# KiCad board Zynq_SoM.kicad_pcb (continued)
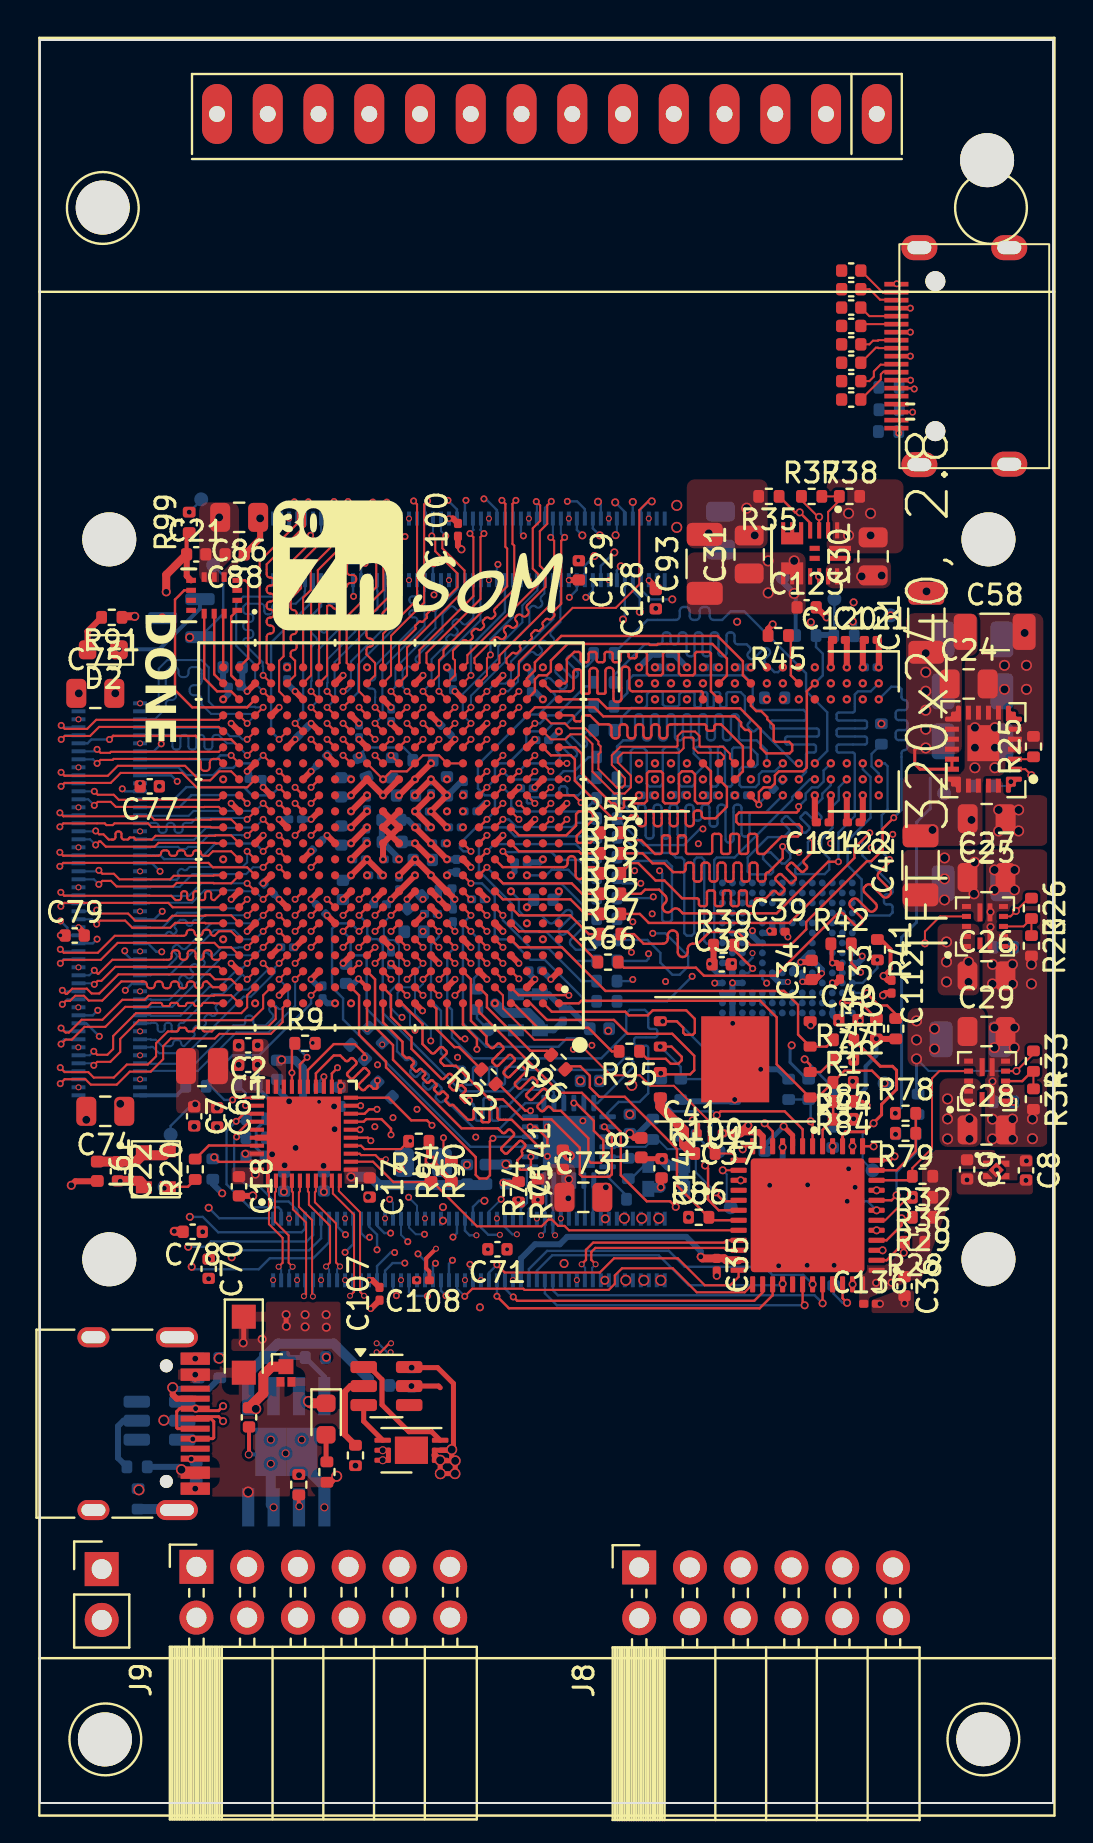
[diagram p0: board, top side]
## Routing (per net, layer and track width the routed paths; a pad name or vN(x,y) marks a point on that pad's centre or on a via; arc(x,y) is an arc through that point) (continued)
IO_L5_P_35: length 30.4
  L1 (Sig) w0.12: U2.F18 v1(11.97,44.39)
  L4 (Sig+Pwr) w0.135: v4(7.42,27.81) 6.69,27.81 4.57,29.94 4.57,38.82 6.16,40.41 7.09,40.41 9.72,43.04 9.72,43.46 10.22,43.96 11.54,43.96 v1(11.97,44.39)
  L8 (Sig) w0.12: v4(7.42,27.81) 8.29,27.81 8.56,28.08 13.35,28.08 13.67,28.4 13.67,29.23
IO_L5P_13: length 17.5
  L1 (Sig) w0.12: U2.U12 v1(17.57,53.19)
  L6 (Sig+Pwr) w0.135: v1(24.19,63.36) 23.62,63.36 23.29,63.04 22.17,63.04 21.04,61.91 20.47,61.91 19.94,61.39 19.37,61.39 16.74,58.76 16.74,56.26 16.37,55.89 16.37,53.69 16.47,53.59 17.17,53.59 v1(17.57,53.19)
  L8 (Sig) w0.12: v1(24.19,63.36) 24.07,63.49 J2.38
IO_L6_N_VREF_13: length 18.1
  L1 (Sig) w0.12: U2.U9 v1(19.97,53.19)
  L4 (Sig+Pwr) w0.135: v1(19.97,53.19) 20.37,53.59 20.37,55.94 20,56.31 20,58.12 23.47,61.59 27.79,61.59 v4(28.74,62.54)
  L8 (Sig) w0.12: J2.17 28.07,61.86 v4(28.74,62.54)
IO_L6_P_13: length 17.9
  L1 (Sig) w0.12: U2.U10 v1(19.17,53.19)
  L4 (Sig+Pwr) w0.135: v1(19.17,53.19) 19.57,53.59 19.57,59.19 22.77,62.39 26.17,62.39 26.42,62.64 27.47,62.64 v4(27.75,62.36)
  L8 (Sig) w0.12: J2.21 27.27,61.88 v4(27.75,62.36)
IO_L6_P_33: length 9.7
  L1 (Sig) w0.1: U2.V18 v1(11.97,53.19)
  L6 (Sig+Pwr) w0.1: v1(11.97,53.19) 11.97,53.29
  L8 (Sig) w0.12: J2.89 13.67,60.13 11.57,58.03 11.57,53.59 v1(11.97,53.19)
IO_L6_P_35: length 30.8
  L1 (Sig) w0.12: U2.G17 v1(12.77,44.39)
  L6 (Sig+Pwr) w0.135: v1(16.49,28.29) 15.99,28.29 15.67,27.96 10.97,27.96 6.39,32.54 6.39,38.96 8.72,41.29 8.72,43.76 9.74,44.79 12.37,44.79 v1(12.77,44.39)
  L8 (Sig) w0.12: 16.07,29.23 16.07,28.5 16.28,28.29 v1(16.49,28.29)
IO_L6_VREF_N_34: length 11.9
  L1 (Sig) w0.12: U2.M16 v1(13.57,48.39)
  L4 (Sig+Pwr) w0.135: v1(13.57,48.39) 13.17,48.79 6.04,48.79 v1(4.12,50.71)
  L8 (Sig) w0.12: v1(4.12,50.71) 4.24,50.59 J3.78
IO_L6_VREF_N_35: length 26.9
  L1 (Sig) w0.12: U2.F17 v1(12.77,43.59)
  L6 (Sig+Pwr) w0.135: v1(16.87,27.66) 16.98,27.77 16.98,28.67 16.57,29.08 16.08,29.08 15.54,29.61 12.27,29.61 10.99,30.9 10.43,30.9 9.68,31.65 9.68,32.06 8.27,33.47 8.27,35.36 7.97,35.66 7.97,38.18 11.57,41.78 11.57,42.99 11.77,43.19 12.37,43.19 v1(12.77,43.59)
  L8 (Sig) w0.12: v1(16.87,27.66) 16.87,28.42 16.47,28.82 16.47,29.23
IO_L7_N_13: length 10
  L1 (Sig) w0.104: U2.AB12 17.17,58.47 18.87,60.17 18.87,64.94 v1(18.7,65.11)
  L8 (Sig) w0.104: v1(18.7,65.11) 18.87,64.94 J2.64
IO_L7_N_33: length 2.7
  L1 (Sig) w0.12: U2.AB22 9.17,59.42 U14.14
IO_L7_N_34: length 10.7
  L1 (Sig) w0.12: U2.K18 v1(11.97,47.59)
  L6 (Sig+Pwr) w0.135: v1(6.09,42.56) 6.77,43.24 6.77,44.89 8.64,46.76 9.57,46.76 9.99,47.19 11.57,47.19 v1(11.97,47.59)
  L8 (Sig) w0.12: v1(6.09,42.56) 5.82,42.56 5.4,42.99 J3.40
IO_L7_P_13: length 11
  L1 (Sig) w0.104: v1(19.4,65.11) 19.23,64.94 19.23,60.03 17.57,58.37 17.57,56.39 U2.AA12
  L8 (Sig) w0.104: v1(19.4,65.11) 19.27,64.98 J2.62
IO_L7_P_33: length 3.7
  L1 (Sig) w0.12: U2.AA22 8.72,56.44 U14.13
IO_L7_P_34: length 15.8
  L1 (Sig) w0.12: U2.J18 v1(11.97,46.79)
  L6 (Sig+Pwr) w0.135: v1(2.97,38.34) 3.54,38.34 7.34,42.14 7.34,44.56 9.15,46.37 11.55,46.37 v1(11.97,46.79)
  L8 (Sig) w0.12: v1(2.97,38.34) 2.32,38.99 J3.19
IO_L8_N_13: length 9.5
  L1 (Sig) w0.104: U2.AB11 17.97,57.88 18.79,58.7 arc(18.81,58.75) 18.79,58.79 arc(18.77,58.84) 18.79,58.88 18.98,59.07 arc(19.03,59.09) 19.07,59.07 arc(19.12,59.05) 19.16,59.07 19.35,59.26 arc(19.37,59.31) 19.35,59.36 arc(19.34,59.4) 19.35,59.45 19.55,59.64 arc(19.59,59.66) 19.64,59.64 arc(19.68,59.62) 19.73,59.64 20.89,60.8 20.89,61.49 19.78,62.6 19.78,63.19 v1(19.61,63.36)
  L8 (Sig) w0.104: v1(19.61,63.36) 19.67,63.42 J2.60
IO_L8_N_33: length 5
  L1 (Sig) w0.12: U14.4 10.27,61.14 10.42,60.99 10.42,57.24 U2.AB21
IO_L8_N_34: length 7.5
  L1 (Sig) w0.104: v1(2.95,46.64) 3.12,46.47 3.7,46.47 3.98,46.19 6.52,46.19 6.7,46.37 8.67,46.37 8.7,46.39 U2.J22
  L8 (Sig) w0.104: v1(2.95,46.64) 2.9,46.59 J3.57
IO_L8_P_13: length 10.2
  L1 (Sig) w0.104: v1(20.31,63.36) 20.14,63.19 20.14,62.74 21.25,61.63 21.25,60.66 18.37,57.78 18.37,56.39 U2.AA11
  L8 (Sig) w0.104: J2.58 20.07,63.6 v1(20.31,63.36)
IO_L8_P_33: length 4.4
  L1 (Sig) w0.1: U2.AA21 9.62,56.34
  L1 (Sig) w0.12: U2.AA21 9.57,56.39 9.57,59.33 U14.1
IO_L8_P_34: length 8.6
  L1 (Sig) w0.104: v1(2.95,45.94) 3.12,46.11 3.56,46.11 3.84,45.83 6.66,45.83 6.84,46.01 8.67,46.01 8.7,45.99 9.57,45.99 U2.J21
  L8 (Sig) w0.104: J3.55 2.7,46.19 v1(2.95,45.94)
IO_L9_DQS_N_13: length 8.8
  L1 (Sig) w0.104: U2.AB9 19.35,57.01 19.35,57.51 22.05,60.21 22.05,63.31 v1(22.22,63.48)
  L8 (Sig) w0.104: v1(22.22,63.48) 22.04,63.65 22.04,63.68 22.07,63.7 J2.48
IO_L9_DQS_N_33: length 5.4
  L1 (Sig) w0.12: U2.Y21 9.57,55.59 8.87,55.59 8.22,56.24 U14.12
IO_L9_DQS_N_34: length 11.2
  L1 (Sig) w0.104: v1(0.99,47.54) 1.17,47.37 5.93,47.37 arc(6.02,47.41) 6.06,47.5 arc(6.1,47.6) 6.2,47.64 6.33,47.64 arc(6.42,47.6) 6.46,47.5 arc(6.5,47.41) 6.6,47.37 6.73,47.37 arc(6.82,47.41) 6.86,47.5 arc(6.9,47.6) 7,47.64 7.13,47.64 arc(7.22,47.6) 7.26,47.5 arc(7.3,47.41) 7.4,47.37 7.53,47.37 arc(7.62,47.41) 7.66,47.5 arc(7.7,47.6) 7.8,47.64 7.93,47.64 arc(8.02,47.6) 8.06,47.5 arc(8.1,47.41) 8.2,47.37 8.43,47.37 8.65,47.59 9.57,47.59 U2.K21
  L8 (Sig) w0.104: v1(0.99,47.54) 1.14,47.39 J3.61
IO_L9_DQS_P_13: length 8.8
  L1 (Sig) w0.104: v1(21.52,63.48) 21.69,63.31 21.69,60.35 18.99,57.65 18.99,57.01 U2.AB10
  L8 (Sig) w0.104: J2.50 21.67,63.7 21.69,63.68 21.69,63.65 v1(21.52,63.48)
IO_L9_DQS_P_33: length 10.1
  L1 (Sig) w0.12: U2.Y20 10.37,54.79 7.62,54.79 6.76,55.65 6.76,60.18 7.22,60.64 U14.9
IO_L9_DQS_P_34: length 11.1
  L1 (Sig) w0.104: U2.J20 10.37,46.79 8.65,46.79 8.43,47.01 1.17,47.01 v1(0.99,46.84)
  L8 (Sig) w0.104: v1(0.99,46.84) 1.14,46.99 J3.59
IO_L10_N_13: length 8.7
  L1 (Sig) w0.104: U2.Y10 v1(18.37,55.59)
  L8 (Sig) w0.104: v1(18.37,55.59) 18.15,55.81 18.15,56.62 18.32,56.79 arc(18.44,56.84) 18.55,56.79 18.61,56.74 arc(18.72,56.69) 18.83,56.74 18.89,56.79 arc(18.94,56.91) 18.89,57.02 18.83,57.08 arc(18.79,57.19) 18.83,57.3 20.15,58.62 20.15,59.45 20.5,59.8 arc(20.61,59.85) 20.73,59.8 20.85,59.68 arc(20.96,59.63) 21.07,59.68 21.13,59.73 arc(21.18,59.85) 21.13,59.96 21.01,60.08 arc(20.96,60.19) 21.01,60.31 21.25,60.55 21.25,60.88 21.27,60.9 J2.51
IO_L10_N_33: length 10.1
  L1 (Sig) w0.104: U2.AB20 10.99,57.01 10.99,62.09 12.9,64 12.9,64.89 v1(12.73,65.07)
  L8 (Sig) w0.104: J2.94 12.87,64.93 v1(12.73,65.07)
IO_L10_N_34: length 7.6
  L1 (Sig) w0.104: v1(2.79,47.91) 2.96,48.08 3.03,48.08 3.29,47.82 5.74,47.82 5.93,48.01 8.76,48.01 8.78,47.99 U2.L22
  L8 (Sig) w0.104: J3.65 2.51,48.19 v1(2.79,47.91)
IO_L10_N_35: length 14.9
  L1 (Sig) w0.104: v1(1.01,36.77) 1.24,36.55 2.42,36.55 2.69,36.28 3.7,36.28 4.35,36.93 5.4,36.93 5.81,37.34 5.81,37.99 6.4,38.58 6.84,38.58 arc(6.91,38.61) 6.94,38.68 arc(6.96,38.74) 7.03,38.77 7.24,38.77 arc(7.31,38.74) 7.34,38.68 arc(7.36,38.61) 7.43,38.58 7.64,38.58 arc(7.71,38.61) 7.74,38.68 arc(7.76,38.74) 7.83,38.77 8.04,38.77 arc(8.11,38.74) 8.14,38.68 arc(8.16,38.61) 8.23,38.58 8.6,38.58 8.84,38.82 11.41,38.82 11.79,39.2 11.79,39.76 U2.A19
  L8 (Sig) w0.104: v1(1.01,36.77) 1.2,36.59 J3.7
IO_L10_P_13: length 7.5
  L1 (Sig) w0.104: U2.Y11 v1(17.57,55.59)
  L8 (Sig) w0.104: J2.53 20.87,60.9 20.89,60.88 20.89,60.69 19.79,59.59 19.79,58.76 17.79,56.76 17.79,55.81 v1(17.57,55.59)
IO_L10_P_33: length 11.9
  L1 (Sig) w0.104: v1(13.43,65.07) 13.26,64.89 13.26,63.86 11.35,61.95 11.35,61.44 arc(11.39,61.33) 11.51,61.28 11.54,61.28 arc(11.66,61.23) 11.7,61.12 11.7,61.04 arc(11.66,60.93) 11.54,60.88 11.51,60.88 arc(11.39,60.83) 11.35,60.72 11.35,60.64 arc(11.39,60.53) 11.51,60.48 11.54,60.48 arc(11.66,60.43) 11.7,60.32 11.7,60.24 arc(11.66,60.13) 11.54,60.08 11.51,60.08 arc(11.39,60.03) 11.35,59.92 11.35,59.84 arc(11.39,59.73) 11.51,59.68 11.54,59.68 arc(11.66,59.63) 11.7,59.52 11.7,59.44 arc(11.66,59.33) 11.54,59.28 11.51,59.28 arc(11.39,59.23) 11.35,59.12 11.35,59.04 arc(11.39,58.93) 11.51,58.88 11.54,58.88 arc(11.66,58.83) 11.7,58.72 11.7,58.64 arc(11.66,58.53) 11.54,58.48 11.51,58.48 arc(11.39,58.43) 11.35,58.32 11.35,57.01 U2.AB19
  L8 (Sig) w0.104: v1(13.43,65.07) 13.27,64.9 J2.92
IO_L10_P_34: length 9.2
  L1 (Sig) w0.104: U2.L21 9.57,48.39 8.78,48.39 8.76,48.37 5.79,48.37 5.6,48.18 4.8,48.18 arc(4.76,48.19) 4.75,48.23 arc(4.73,48.26) 4.69,48.28 4.5,48.28 arc(4.46,48.26) 4.45,48.23 arc(4.43,48.19) 4.39,48.18 4.2,48.18 arc(4.11,48.21) 4.08,48.3 4.08,48.46 arc(4.04,48.55) 3.96,48.58 3.9,48.58 arc(3.81,48.55) 3.78,48.46 3.78,48.3 arc(3.74,48.21) 3.66,48.18 3.44,48.18 3.18,48.44 2.96,48.44 v1(2.79,48.61)
  L8 (Sig) w0.1: 2.77,48.59 v1(2.79,48.61)
  L8 (Sig) w0.104: J3.67 2.77,48.59
IO_L10_P_35: length 15
  L1 (Sig) w0.104: v1(1.01,35.97) 1.24,36.19 2.27,36.19 2.55,35.92 3.84,35.92 4.49,36.57 5.54,36.57 6.17,37.2 6.17,37.85 6.55,38.23 8.75,38.23 8.98,38.46 11.55,38.46 12.14,39.05 12.14,39.76 U2.A18
  L8 (Sig) w0.104: J3.5 1.23,36.19 v1(1.01,35.97)
IO_L11_SRCC_N_13: length 12.6
  L1 (Sig) w0.104: v1(23.82,65.14) 23.65,64.97 23.65,62.96 23.74,62.87 23.74,60.7 22.76,59.72 arc(22.72,59.63) 22.76,59.54 arc(22.8,59.45) 22.76,59.36 22.66,59.25 arc(22.57,59.22) 22.48,59.25 arc(22.39,59.29) 22.3,59.25 22.19,59.15 arc(22.16,59.06) 22.19,58.97 arc(22.23,58.88) 22.19,58.79 22.09,58.69 arc(22,58.65) 21.91,58.69 arc(21.82,58.73) 21.73,58.69 21.63,58.59 arc(21.59,58.5) 21.63,58.41 arc(21.67,58.32) 21.63,58.22 21.53,58.12 arc(21.44,58.09) 21.35,58.12 arc(21.25,58.16) 21.16,58.12 20.67,57.63 20.67,57.24 20.77,57.14 20.77,56.39 U2.AA8
  L8 (Sig) w0.104: J2.40 23.67,64.75 23.64,64.78 23.64,64.96 v1(23.82,65.14)
IO_L11_SRCC_N_33: length 11.5
  L1 (Sig) w0.104: U2.AA19 v1(11.17,56.39)
  L8 (Sig) w0.104: J2.91 13.27,60.62 13.25,60.6 13.25,60.42 12.8,59.97 12.59,59.97 arc(12.47,59.93) 12.43,59.81 12.43,59.6 arc(12.38,59.49) 12.27,59.44 12.19,59.44 arc(12.07,59.49) 12.03,59.6 12.03,59.81 arc(11.98,59.93) 11.87,59.97 11.79,59.97 arc(11.67,59.93) 11.63,59.81 11.63,59.6 arc(11.58,59.49) 11.47,59.44 11.39,59.44 arc(11.27,59.49) 11.23,59.6 11.23,59.81 arc(11.18,59.93) 11.07,59.97 10.32,59.97 10.18,59.83 10.18,59.62 arc(10.22,59.5) 10.34,59.46 10.52,59.46 arc(10.63,59.41) 10.68,59.3 10.68,59.22 arc(10.63,59.1) 10.52,59.06 10.34,59.06 arc(10.22,59.01) 10.18,58.9 10.18,58.82 arc(10.22,58.7) 10.34,58.66 10.52,58.66 arc(10.63,58.61) 10.68,58.5 10.68,58.42 arc(10.63,58.3) 10.52,58.26 10.34,58.26 arc(10.22,58.21) 10.18,58.1 10.18,58.01 11.15,57.04 11.15,56.84 11.17,56.82 v1(11.17,56.39)
IO_L11_SRCC_N_34: length 7.1
  L1 (Sig) w0.104: U2.K20 v1(10.37,47.59)
  L8 (Sig) w0.1: v1(10.37,47.59) 10.37,47.04
  L8 (Sig) w0.104: J3.56 5.53,46.19 5.56,46.17 6.85,46.17 6.93,46.25 arc(6.96,46.34) 6.93,46.43 arc(6.89,46.52) 6.93,46.61 6.99,46.67 arc(7.08,46.71) 7.17,46.67 arc(7.26,46.64) 7.35,46.67 7.49,46.81 10.14,46.81 10.37,47.04
IO_L11_SRCC_N_35: length 12
  L1 (Sig) w0.104: U2.C18 v1(11.97,41.19)
  L8 (Sig) w0.104: v1(11.97,41.19) 12.42,40.74 12.42,40.02 12.14,39.74 arc(12.03,39.69) 11.91,39.74 11.79,39.86 arc(11.68,39.91) 11.57,39.86 11.51,39.8 arc(11.47,39.69) 11.51,39.58 11.63,39.46 arc(11.68,39.34) 11.63,39.23 11.29,38.89 10.84,38.89 arc(10.72,38.93) 10.68,39.05 10.68,39.22 arc(10.63,39.33) 10.52,39.38 10.44,39.38 arc(10.32,39.33) 10.28,39.22 10.28,39.05 arc(10.23,38.93) 10.12,38.89 9.68,38.89 7.76,36.97 5.56,36.97 5.53,36.99 J3.10
IO_L11_SRCC_P_13: length 11.8
  L1 (Sig) w0.104: U2.AA9 19.97,56.39 19.97,57.14 20.19,57.36 20.19,57.65 23.38,60.84 23.38,62.73 23.29,62.82 23.29,64.97 v1(23.12,65.14)
  L8 (Sig) w0.104: J2.42 23.27,64.75 23.29,64.78 23.29,64.96 v1(23.12,65.14)
IO_L11_SRCC_P_33: length 9.4
  L1 (Sig) w0.104: U2.Y19 v1(11.17,55.59)
  L8 (Sig) w0.104: v1(11.17,55.59) 10.77,55.99 10.77,56.82 10.79,56.84 10.79,56.9 9.82,57.87 9.82,59.97 10.18,60.33 12.66,60.33 12.89,60.56 12.89,60.6 12.87,60.62 J2.93
IO_L11_SRCC_P_34: length 7.1
  L1 (Sig) w0.104: U2.K19 v1(11.17,46.79)
  L8 (Sig) w0.1: v1(11.17,46.79) 10.66,46.79
  L8 (Sig) w0.104: 10.66,46.79 10.32,46.45 7.63,46.45 6.99,45.81 5.56,45.81 5.53,45.79 J3.54
IO_L11_SRCC_P_35: length 11
  L1 (Sig) w0.104: U2.C17 v1(12.77,41.19)
  L8 (Sig) w0.104: v1(12.77,41.19) 12.77,39.87 12.77,39.87 11.43,38.53 9.82,38.53 7.9,36.61 5.56,36.61 5.53,36.59 J3.8
IO_L12_MRCC_N_13: length 7
  L1 (Sig) w0.104: U2.Y8 v1(19.97,55.59)
  L8 (Sig) w0.104: J2.47 22.07,60.62 22.05,60.6 22.05,59.15 19.97,57.07 v1(19.97,55.59)
IO_L12_MRCC_N_33: length 10.3
  L1 (Sig) w0.104: v1(14.24,63.39) 14.07,63.22 14.07,63.05 13.07,62.05 13.07,60.75 12.55,60.23 12.55,59.8 arc(12.59,59.69) 12.7,59.65 arc(12.8,59.6) 12.85,59.5 12.85,59.4 arc(12.8,59.29) 12.7,59.25 arc(12.59,59.2) 12.55,59.1 12.55,59 arc(12.59,58.89) 12.7,58.85 arc(12.8,58.8) 12.85,58.7 12.85,58.6 arc(12.8,58.49) 12.7,58.45 arc(12.59,58.4) 12.55,58.3 12.55,58.2 arc(12.59,58.09) 12.7,58.05 arc(12.8,58) 12.85,57.9 12.85,57.8 arc(12.8,57.69) 12.7,57.65 arc(12.59,57.6) 12.55,57.5 12.55,57.34 12.77,57.12 12.77,57.12 12.77,56.39 U2.AA18
  L8 (Sig) w0.104: J2.88 14.07,63.57 v1(14.24,63.39)
IO_L12_MRCC_N_34: length 7.3
  L1 (Sig) w0.1: U2.L19 v1(11.17,47.59)
  L8 (Sig) w0.12: v1(11.17,47.59) 10.78,47.98 8.78,47.98 8,47.2 6.21,47.2 6.02,47.39 J3.62
IO_L12_MRCC_N_35: length 10.5
  L1 (Sig) w0.104: U2.C19 v1(11.17,41.99)
  L8 (Sig) w0.104: J3.16 5.53,38.19 5.56,38.17 5.79,38.17 6.11,37.85 6.52,37.85 arc(6.62,37.89) 6.67,38 arc(6.71,38.1) 6.82,38.15 6.92,38.15 arc(7.02,38.1) 7.07,38 arc(7.11,37.89) 7.22,37.85 7.7,38.33 arc(7.75,38.44) 7.7,38.54 arc(7.66,38.65) 7.7,38.76 7.77,38.83 arc(7.88,38.87) 7.99,38.83 arc(8.09,38.78) 8.2,38.83 8.27,38.9 arc(8.31,39) 8.27,39.11 arc(8.22,39.22) 8.27,39.32 8.34,39.39 arc(8.44,39.44) 8.55,39.39 arc(8.66,39.35) 8.76,39.39 8.83,39.46 arc(8.88,39.57) 8.83,39.68 arc(8.79,39.78) 8.83,39.89 8.9,39.96 arc(9.01,40) 9.12,39.96 arc(9.22,39.92) 9.33,39.96 10.05,40.68 10.41,40.68 11.39,41.66 11.39,41.77 v1(11.17,41.99)
IO_L12_MRCC_P_13: length 8.3
  L1 (Sig) w0.104: U2.Y9 v1(19.17,55.59)
  L8 (Sig) w0.104: v1(19.17,55.59) 19.6,56.02 19.6,57.2 20.36,57.96 arc(20.39,58.04) 20.36,58.13 arc(20.32,58.21) 20.36,58.29 20.48,58.41 arc(20.56,58.44) 20.64,58.41 arc(20.72,58.37) 20.81,58.41 20.86,58.46 arc(20.91,58.58) 20.86,58.69 20.69,58.87 arc(20.64,58.98) 20.69,59.1 20.74,59.15 arc(20.86,59.2) 20.97,59.15 21.15,58.97 arc(21.26,58.93) 21.37,58.97 21.69,59.29 21.69,60.6 21.67,60.62 J2.49
IO_L12_MRCC_P_33: length 10.1
  L1 (Sig) w0.104: U2.Y18 11.97,55.59 11.97,57.12 11.97,57.12 12.19,57.34 12.19,60.37 12.71,60.89 12.71,62.19 13.72,63.2 13.72,63.22 v1(13.54,63.39)
  L8 (Sig) w0.104: v1(13.54,63.39) 13.67,63.52 J2.90
IO_L12_MRCC_P_34: length 9.7
  L1 (Sig) w0.12: U2.L18 v1(11.97,48.39)
  L6 (Sig+Pwr) w0.135: v1(11.97,48.39) 11.57,47.99 8.77,47.99 6.12,45.34 v1(6.12,44.59)
  L8 (Sig) w0.12: v1(6.12,44.59) 5.72,44.19 J3.46
IO_L12_MRCC_P_35: length 9.7
  L1 (Sig) w0.104: U2.D18 v1(11.97,41.99)
  L8 (Sig) w0.104: v1(11.97,41.99) 11.75,41.77 11.75,41.51 10.56,40.32 10.19,40.32 7.36,37.49 5.97,37.49 5.65,37.81 5.56,37.81 5.53,37.79 J3.14
IO_L13_MRCC_N_13: length 8.7
  L1 (Sig) w0.104: U2.Y5 v1(23.17,55.59)
  L8 (Sig) w0.104: v1(23.17,55.59) 23.43,55.59 23.93,56.09 23.93,56.94 24.51,57.52 arc(24.62,57.57) 24.74,57.52 24.81,57.45 arc(24.92,57.4) 25.03,57.45 25.09,57.5 arc(25.14,57.62) 25.09,57.73 25.02,57.8 arc(24.97,57.91) 25.02,58.03 25.07,58.08 arc(25.19,58.13) 25.3,58.08 25.41,57.98 arc(25.52,57.93) 25.63,57.98 25.69,58.03 arc(25.74,58.15) 25.69,58.26 25.58,58.37 arc(25.54,58.48) 25.58,58.59 26.05,59.06 26.05,60.6 26.07,60.62 J2.27
IO_L13_MRCC_N_34: length 6.3
  L1 (Sig) w0.104: U2.M20 v1(10.37,48.39)
  L8 (Sig) w0.104: v1(10.37,48.39) 10.1,48.39 10.08,48.41 8.46,48.41 7.86,47.81 7.42,47.81 7.31,47.71 7.02,47.71 6.91,47.81 5.56,47.81 5.53,47.79 J3.64
IO_L13_MRCC_N_35: length 11.1
  L1 (Sig) w0.104: v1(2.69,37.59) 2.87,37.42 3.38,37.42 3.66,37.7 3.66,38.35 4.81,39.5 10.08,39.5 10.37,39.79 10.37,40.39 U2.B20
  L8 (Sig) w0.104: v1(2.69,37.59) 2.49,37.39 J3.11
IO_L13_MRCC_P_13: length 7.8
  L1 (Sig) w0.104: U2.Y6 v1(22.37,55.59)
  L8 (Sig) w0.104: J2.29 25.67,60.62 25.69,60.6 25.69,59.2 23.57,57.08 23.57,56.24 23.31,55.98 22.76,55.98 v1(22.37,55.59)
IO_L13_MRCC_P_34: length 7.2
  L1 (Sig) w0.104: U2.M19 v1(11.17,49.19)
  L8 (Sig) w0.104: v1(11.17,49.19) 10.76,48.78 10.1,48.78 10.08,48.76 8.31,48.76 7.72,48.17 5.56,48.17 5.53,48.19 J3.66
IO_L13_MRCC_P_35: length 12.1
  L1 (Sig) w0.104: U2.B19 11.17,40.39 11.17,39.74 10.57,39.14 4.95,39.14 4.02,38.21 4.02,37.56 3.52,37.06 2.87,37.06 v1(2.69,36.89)
  L8 (Sig) w0.104: v1(2.69,36.89) 2.59,36.99 J3.9
IO_L14_N_SRCC_13: length 5.9
  L1 (Sig) w0.1: v1(22.54,57.41) 22.37,57.24 22.37,56.39 U2.AA6
  L8 (Sig) w0.12: v1(22.54,57.41) 22.54,58.19 23.67,59.31 J2.39
IO_L14_P_SRCC_13: length 6
  L1 (Sig) w0.1: U2.AA7 v1(21.57,56.39)
  L8 (Sig) w0.12: v1(21.57,56.39) 21.57,57.86 23.27,59.56 J2.41
IO_L14_SRCC_N_33: length 9.4
  L1 (Sig) w0.104: U2.Y16 v1(13.57,55.59)
  L8 (Sig) w0.104: v1(13.57,55.59) 13.57,56.09 13.59,56.11 13.59,57.83 13.82,58.06 arc(13.86,58.17) 13.82,58.28 13.6,58.5 arc(13.55,58.61) 13.6,58.73 13.66,58.78 arc(13.77,58.83) 13.88,58.78 14.1,58.57 arc(14.21,58.52) 14.33,58.57 14.38,58.62 arc(14.43,58.74) 14.38,58.85 14.17,59.07 arc(14.12,59.18) 14.17,59.29 14.22,59.35 arc(14.33,59.4) 14.45,59.35 14.67,59.13 arc(14.78,59.09) 14.89,59.13 14.89,59.82 arc(14.85,59.93) 14.73,59.98 14.52,59.98 arc(14.41,60.03) 14.36,60.14 14.36,60.22 arc(14.41,60.33) 14.52,60.38 14.73,60.38 arc(14.85,60.43) 14.89,60.54 14.89,60.6 14.87,60.62 J2.83
IO_L14_SRCC_N_34: length 7.5
  L1 (Sig) w0.104: U2.N20 v1(10.37,49.19)
  L8 (Sig) w0.104: v1(10.37,49.19) 10.3,49.26 7.83,49.26 7.59,49.01 7.3,49.01 arc(7.18,48.97) 7.14,48.85 7.14,48.67 arc(7.09,48.56) 6.98,48.51 6.9,48.51 arc(6.78,48.56) 6.74,48.67 6.74,48.85 arc(6.69,48.97) 6.58,49.01 6.5,49.01 arc(6.38,48.97) 6.34,48.85 6.34,48.67 arc(6.29,48.56) 6.18,48.51 6.1,48.51 arc(5.98,48.56) 5.94,48.67 5.94,48.85 arc(5.89,48.97) 5.78,49.01 5.56,49.01 5.53,48.99 J3.70
IO_L14_SRCC_N_35: length 8.3
  L1 (Sig) w0.104: U2.C20 v1(10.37,41.19)
  L8 (Sig) w0.104: J3.20 5.53,38.99 5.56,39.01 5.75,39.01 arc(5.85,38.97) 5.89,38.87 5.89,38.7 arc(5.93,38.6) 6.03,38.56 6.1,38.56 arc(6.2,38.6) 6.24,38.7 6.24,38.87 arc(6.28,38.97) 6.38,39.01 6.45,39.01 arc(6.55,38.97) 6.59,38.87 6.59,38.7 arc(6.63,38.6) 6.73,38.56 6.8,38.56 arc(6.9,38.6) 6.94,38.7 6.94,38.87 arc(6.98,38.97) 7.08,39.01 7.18,39.01 8.62,40.45 9.14,40.45 10.1,41.41 10.15,41.41 v1(10.37,41.19)
IO_L14_SRCC_P_33: length 7.6
  L1 (Sig) w0.104: U2.W16 v1(13.57,54.79)
  L8 (Sig) w0.104: J2.81 15.27,60.62 15.25,60.6 15.25,58.99 13.95,57.69 13.95,56.11 13.97,56.09 13.97,55.19 v1(13.57,54.79)
IO_L14_SRCC_P_34: length 7
  L1 (Sig) w0.104: U2.N19 v1(11.17,49.99)
  L8 (Sig) w0.104: J3.72 5.53,49.39 5.56,49.37 7.44,49.37 7.69,49.61 10.79,49.61 v1(11.17,49.99)
IO_L14_SRCC_P_35: length 7
  L1 (Sig) w0.104: U2.D20 v1(10.37,41.99)
  L8 (Sig) w0.104: J3.22 5.53,39.39 5.56,39.37 7.04,39.37 8.48,40.81 9,40.81 9.96,41.77 10.15,41.77 v1(10.37,41.99)
IO_L15_DQS_N_34: length 9.4
  L1 (Sig) w0.104: U2.M22 8.56,48.79 8.54,48.81 5.58,48.81 5.4,48.99 3.73,48.99 3.64,48.9 3.33,48.9 3.24,48.99 1.17,48.99 v1(1,48.81)
  L8 (Sig) w0.104: J3.69 1.17,48.99 v1(1,48.81)
IO_L15_DQS_N_35: length 10.5
  L1 (Sig) w0.104: v1(1.06,37.95) 1.28,38.17 1.59,38.17 2.23,38.81 3.27,38.81 4.27,39.81 5.38,39.81 5.58,40.01 6.04,40.01 arc(6.09,39.99) 6.11,39.93 arc(6.14,39.88) 6.19,39.85 6.44,39.85 arc(6.49,39.88) 6.51,39.93 arc(6.54,39.99) 6.59,40.01 6.84,40.01 arc(6.89,39.99) 6.91,39.93 arc(6.94,39.88) 6.99,39.85 7.24,39.85 arc(7.29,39.88) 7.31,39.93 arc(7.34,39.99) 7.39,40.01 7.64,40.01 arc(7.69,39.99) 7.71,39.93 arc(7.74,39.88) 7.79,39.85 8.04,39.85 arc(8.09,39.88) 8.11,39.93 arc(8.14,39.99) 8.19,40.01 8.7,40.01 8.72,39.99 U2.A22
  L8 (Sig) w0.104: J3.15 1.2,38.19 1.06,38.05 v1(1.06,37.95)
IO_L15_DQS_P_34: length 10.3
  L1 (Sig) w0.104: v1(1,49.51) 1.17,49.34 5.55,49.34 5.72,49.17 8.54,49.17 8.56,49.19 9.57,49.19 U2.M21
  L8 (Sig) w0.104: J3.71 1.12,49.39 v1(1,49.51)
IO_L15_DQS_P_35: length 10.9
  L1 (Sig) w0.104: v1(1.06,38.75) 1.28,38.53 1.45,38.53 2.09,39.17 3.13,39.17 4.13,40.17 5.24,40.17 5.44,40.37 8.7,40.37 8.72,40.39 9.57,40.39 U2.A21
  L8 (Sig) w0.104: J3.17 1.2,38.59 1.06,38.73 v1(1.06,38.75)
IO_L15_N_33: length 23.2
  L1 (Sig) w0.12: U2.U16 v1(13.57,53.19)
  L6 (Sig+Pwr) w0.135: v1(13.57,53.19) 13.04,52.66 12.52,52.66 12.37,52.81 12.37,54.41 12.47,54.51 12.47,55.21 11.72,55.96 11.72,61.61 12.72,62.61 14.17,62.61 15.32,63.76 17.09,63.76 17.99,64.66 17.99,65.29 18.29,65.59 19.97,65.59 v1(20.42,65.14)
  L8 (Sig) w0.12: v1(20.42,65.14) 20.87,64.69 J2.54
IO_L15_P_13: length 7.9
  L4 (Sig+Pwr) w0.135: v1(25.17,56.79) 25.37,56.99 27.68,56.99 30.02,59.33 v4(30.02,59.56)
  L8 (Sig) w0.12: v4(30.02,59.56) 30.02,60.26 29.67,60.61 J2.9
IO_L15_P_33: length 10.6
  L1 (Sig) w0.12: U2.V15 v1(14.37,53.99)
  L6 (Sig+Pwr) w0.135: v1(16.27,61.99) 16.27,61.86 13.97,59.56 13.97,54.39 v1(14.37,53.99)
  L8 (Sig) w0.12: v1(16.27,61.99) 16.07,61.79 J2.77
IO_L16_N_13: length 9.9
  L1 (Sig) w0.1: 26.08,63.11 v1(26.26,63.29)
  L1 (Sig) w0.104: v1(26.26,63.29) 26.09,63.12 26.09,59.97 25.73,59.61 arc(25.7,59.54) 25.73,59.48 arc(25.76,59.41) 25.73,59.35 25.58,59.2 arc(25.51,59.17) 25.45,59.2 arc(25.38,59.22) 25.32,59.2 25.17,59.05 arc(25.14,58.98) 25.17,58.91 arc(25.19,58.85) 25.17,58.78 25.01,58.63 arc(24.95,58.6) 24.88,58.63 arc(24.82,58.66) 24.75,58.63 24.6,58.48 arc(24.57,58.41) 24.6,58.35 arc(24.63,58.28) 24.6,58.22 24.45,58.06 arc(24.38,58.04) 24.32,58.06 arc(24.25,58.09) 24.18,58.06 24.03,57.91 arc(24.01,57.85) 24.03,57.78 arc(24.06,57.72) 24.03,57.65 23.88,57.5 arc(23.82,57.47) 23.75,57.5 arc(23.69,57.53) 23.62,57.5 23.35,57.23 23.35,57.01 U2.AB4
  L8 (Sig) w0.104: v1(26.26,63.29) 26.07,63.48 J2.28
IO_L16_N_33: length 8.3
  L1 (Sig) w0.1: v1(12.77,53.99) U2.V17
  L8 (Sig) w0.12: v1(12.77,53.99) 13.17,54.39 13.17,58.95 14.07,59.85 J2.87
IO_L16_N_34: length 7.5
  L1 (Sig) w0.104: U2.P22 8.95,50.17 3.94,50.17 3.69,50.42 2.89,50.42 v1(2.72,50.59)
  L8 (Sig) w0.104: v1(2.72,50.59) J3.77
IO_L16_N_35: length 7.7
  L1 (Sig) w0.104: U2.C22 8.95,41.81 3.77,41.81 3.07,41.11 2.89,41.11 v1(2.72,40.94)
  L8 (Sig) w0.104: v1(2.72,40.94) 2.67,40.99 J3.29
IO_L16_P_13: length 8.8
  L1 (Sig) w0.104: v1(25.56,63.29) 25.73,63.12 25.73,60.11 22.99,57.37 22.99,57.01 U2.AB5
  L8 (Sig) w0.104: v1(25.56,63.29) 25.67,63.4 J2.30
IO_L16_P_34: length 7.6
  L1 (Sig) w0.104: U2.N22 8.95,49.81 8.23,49.81 8.22,49.8 7.83,49.8 7.82,49.81 3.8,49.81 3.54,50.06 2.89,50.06 v1(2.72,49.89)
  L8 (Sig) w0.104: v1(2.72,49.89) 2.42,50.19 J3.75
IO_L16_P_35: length 9.9
  L1 (Sig) w0.1: 2.79,41.56 v1(2.72,41.64)
  L1 (Sig) w0.104: v1(2.72,41.64) 2.89,41.47 2.93,41.47 3.63,42.17 6.43,42.17 arc(6.54,42.21) 6.59,42.33 6.59,42.48 arc(6.64,42.6) 6.75,42.64 6.83,42.64 arc(6.94,42.6) 6.99,42.48 6.99,42.33 arc(7.04,42.21) 7.15,42.17 7.23,42.17 arc(7.34,42.21) 7.39,42.33 7.39,42.48 arc(7.44,42.6) 7.55,42.64 7.63,42.64 arc(7.74,42.6) 7.79,42.48 7.79,42.33 arc(7.84,42.21) 7.95,42.17 8.03,42.17 arc(8.14,42.21) 8.19,42.33 8.19,42.48 arc(8.24,42.6) 8.35,42.64 8.43,42.64 arc(8.54,42.6) 8.59,42.48 8.59,42.33 arc(8.64,42.21) 8.75,42.17 8.95,42.17 U2.D22
  L8 (Sig) w0.104: J3.31 2.47,41.39 v1(2.72,41.64)
IO_L17_N_13: length 12.5
  L1 (Sig) w0.104: v1(25.59,65.09) 25.39,64.89 25.39,63.97 25.02,63.6 25.02,61.87 25.3,61.59 25.3,60.81 24.39,59.9 arc(24.34,59.79) 24.39,59.67 24.41,59.65 arc(24.46,59.54) 24.41,59.43 24.35,59.37 arc(24.24,59.32) 24.13,59.37 24.11,59.39 arc(23.99,59.44) 23.88,59.39 23.82,59.33 arc(23.78,59.22) 23.82,59.11 23.84,59.09 arc(23.89,58.97) 23.84,58.86 23.79,58.8 arc(23.67,58.76) 23.56,58.8 23.54,58.82 arc(23.43,58.87) 23.32,58.82 23.26,58.77 arc(23.21,58.65) 23.26,58.54 23.28,58.52 arc(23.33,58.41) 23.28,58.3 23.22,58.24 arc(23.11,58.19) 23,58.24 22.98,58.26 arc(22.86,58.31) 22.75,58.26 21.75,57.26 21.75,57.01 U2.AB6
  L8 (Sig) w0.104: v1(25.59,65.09) 25.27,64.77 J2.32
IO_L17_N_33: length 10
  L1 (Sig) w0.104: U2.AB17 13.17,60.27 13.55,60.65 13.55,61.79 14.89,63.13 14.89,64.91 v1(14.72,65.08)
  L8 (Sig) w0.104: v1(14.72,65.08) 14.89,64.9 14.89,64.78 14.87,64.75 J2.84
IO_L17_N_34: length 10.8
  L1 (Sig) w0.104: U2.R21 9.57,51.59 8.97,51.59 8.52,51.14 7.99,51.14 7.26,51.87 3.9,51.87 3.4,51.37 1.23,51.37 v1(1.06,51.54)
  L8 (Sig) w0.104: J3.81 1.21,51.39 v1(1.06,51.54)
IO_L17_N_35: length 10.7
  L1 (Sig) w0.104: U2.D21 9.57,42.79 8.95,42.79 8.73,43.01 3.89,43.01 3.04,42.16 1.19,42.16 v1(1.02,41.99)
  L8 (Sig) w0.104: J3.35 1.17,42.19 1.02,42.04 v1(1.02,41.99)
IO_L17_P_13: length 11.1
  L1 (Sig) w0.104: v1(24.84,65.08) 25.03,64.89 25.03,64.11 24.66,63.74 24.66,61.73 24.94,61.45 24.94,60.95 21.39,57.4 21.39,57.01 U2.AB7
  L8 (Sig) w0.104: v1(24.84,65.08) 24.87,65.05 J2.34
IO_L17_P_33: length 11
  L1 (Sig) w0.104: U2.AA17 13.57,56.39 13.57,60.17 13.91,60.51 13.91,61.65 15.25,62.99 15.25,64.91 v1(15.42,65.08)
  L8 (Sig) w0.104: J2.82 15.27,64.75 15.24,64.78 15.24,64.9 v1(15.42,65.08)
IO_L17_P_34: length 11.4
  L1 (Sig) w0.104: U2.R20 10.37,50.79 7.84,50.79 7.12,51.51 4.04,51.51 3.54,51.01 1.23,51.01 v1(1.06,50.84)